# Altium PCB RPIadaptor.PcbDoc (part 1 of 2)
Units mm, origin at the board's own origin, x right, y up, seen from the top; angles counter-clockwise.
Board outline 106 x 56.22 mm, 4 copper layers (Top Layer, Ground, 3V3P, Bottom Layer), stack 1.578 mm thick; 86 components, 104 nets, 584 pads, 352 vias.
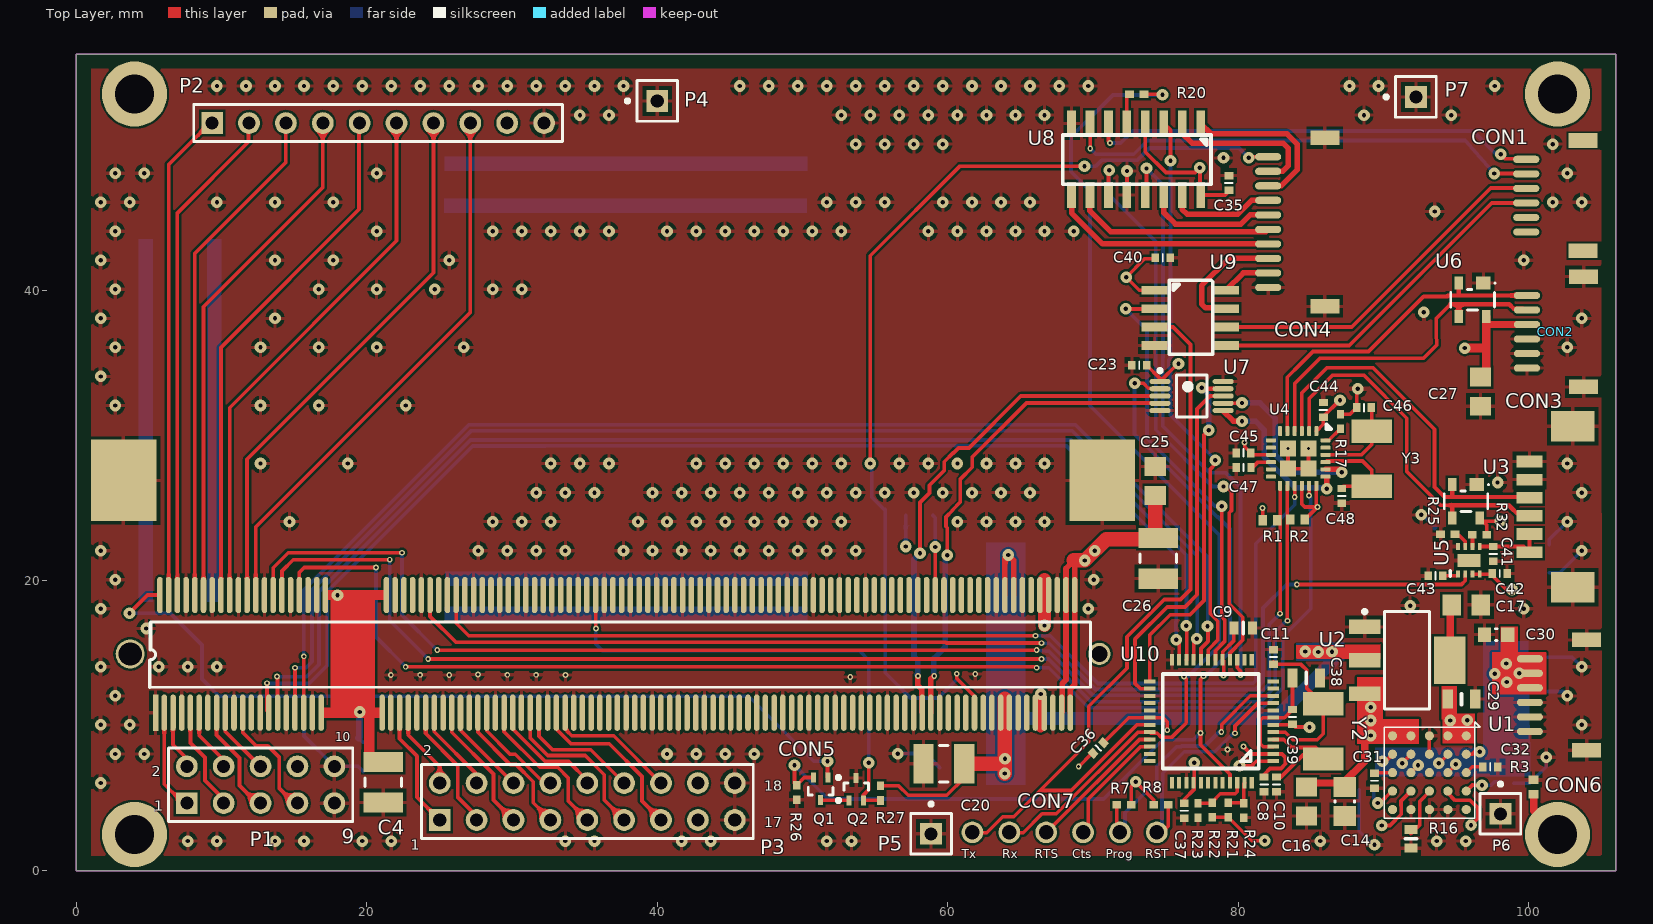
[diagram p0: Top Layer view]
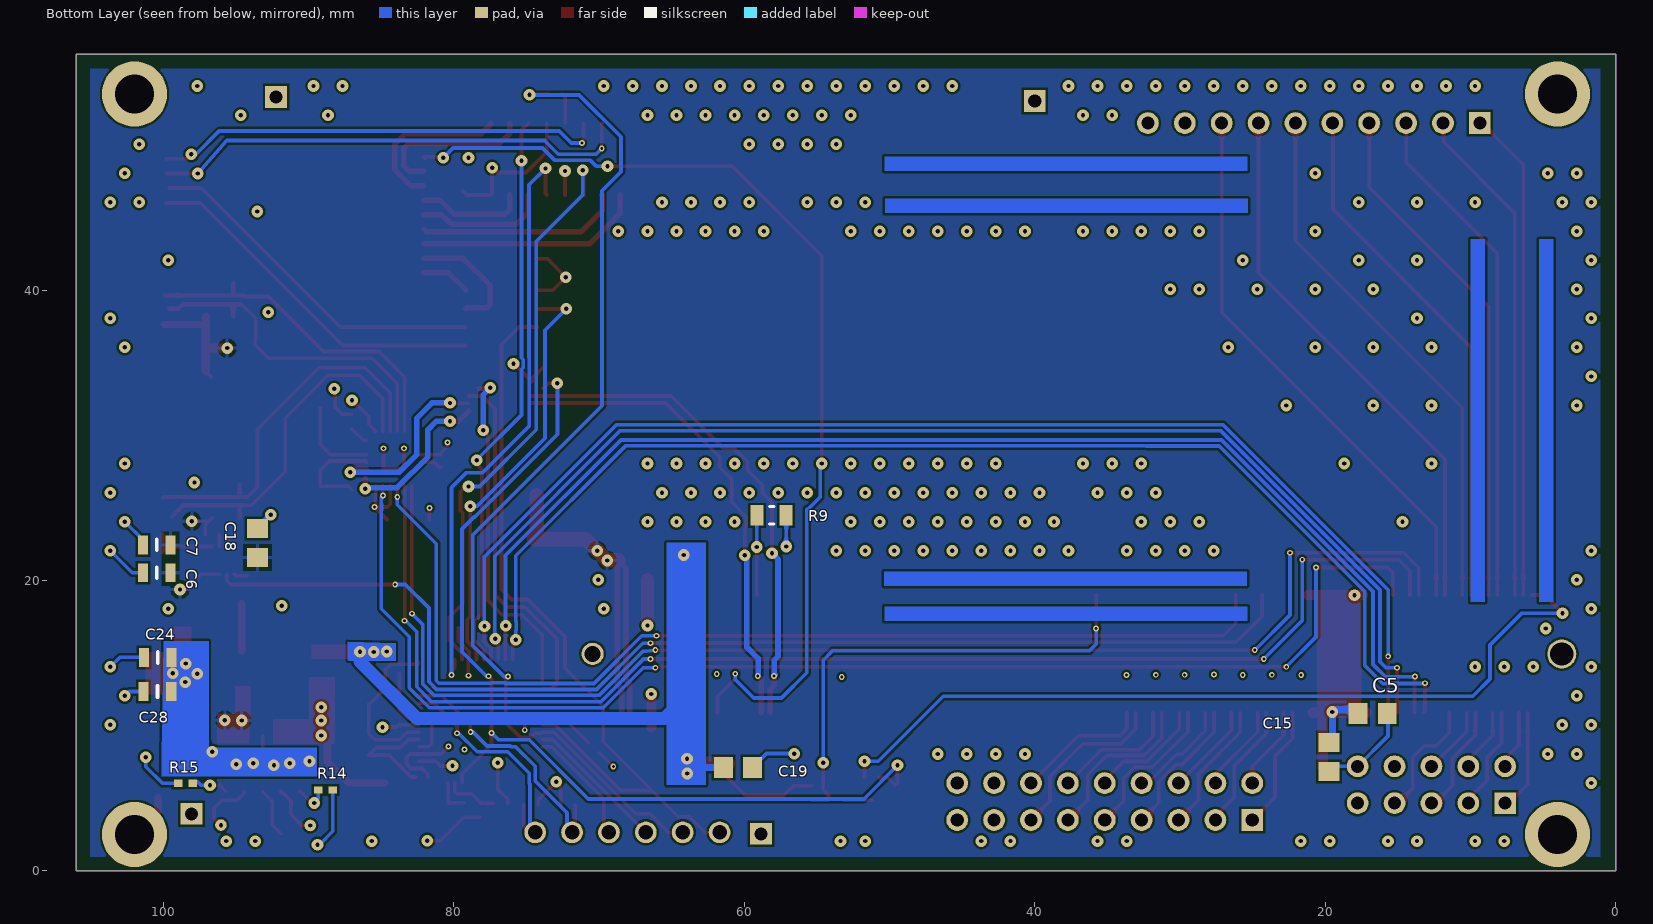
[diagram p1: Bottom Layer view, seen from below]
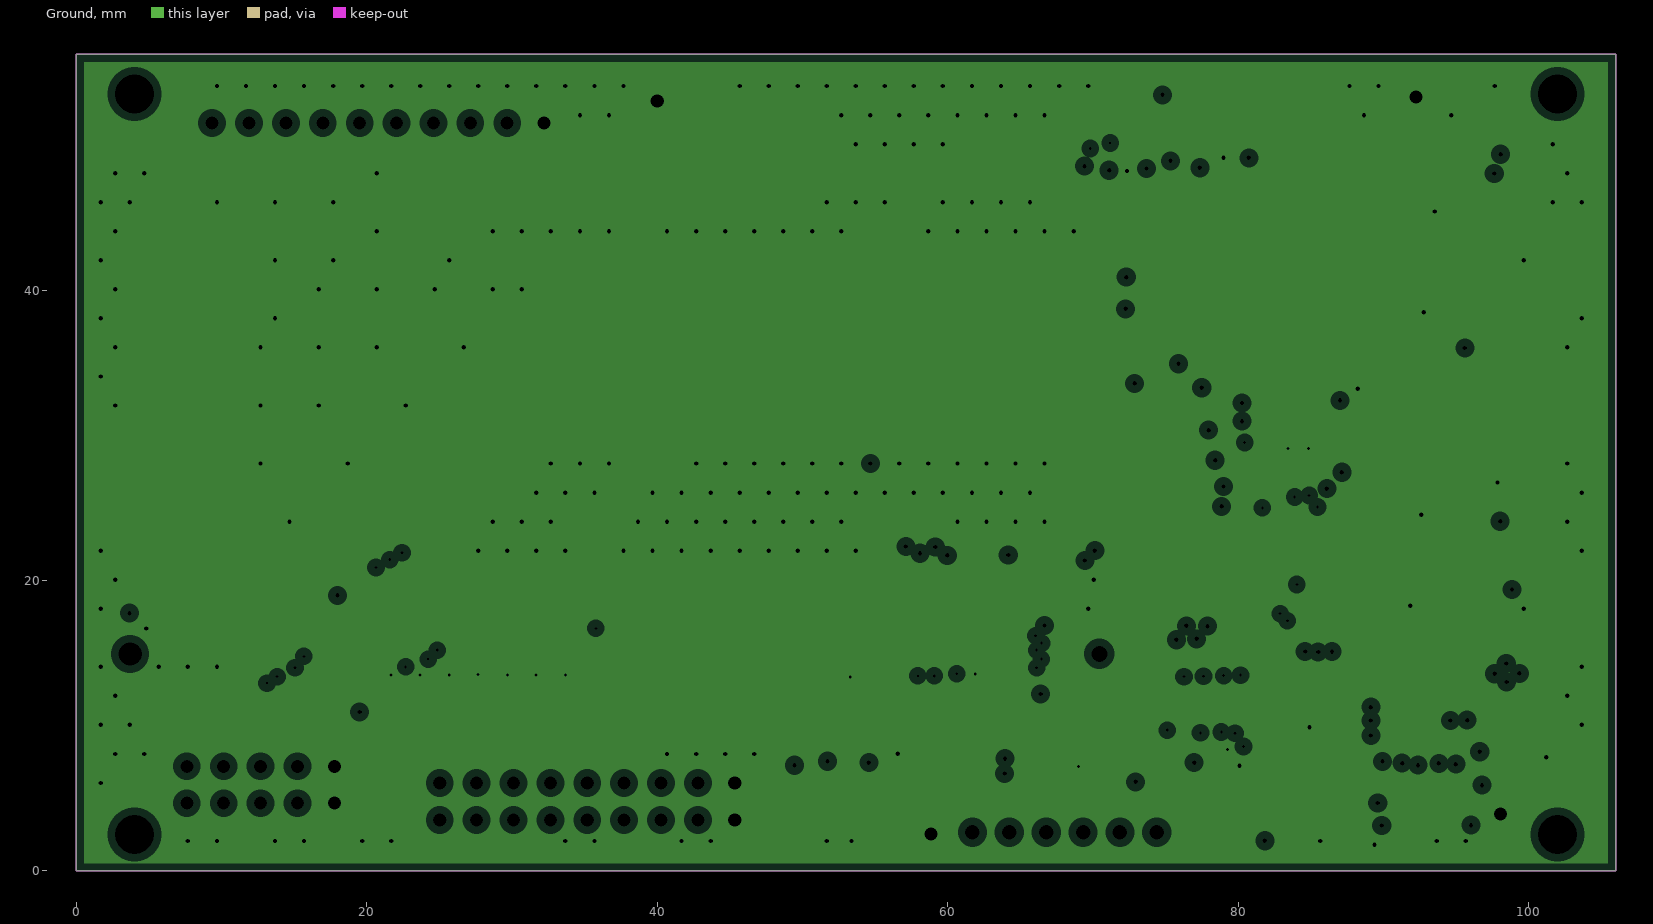
[diagram p2: Ground, clearances drawn from the general rule]
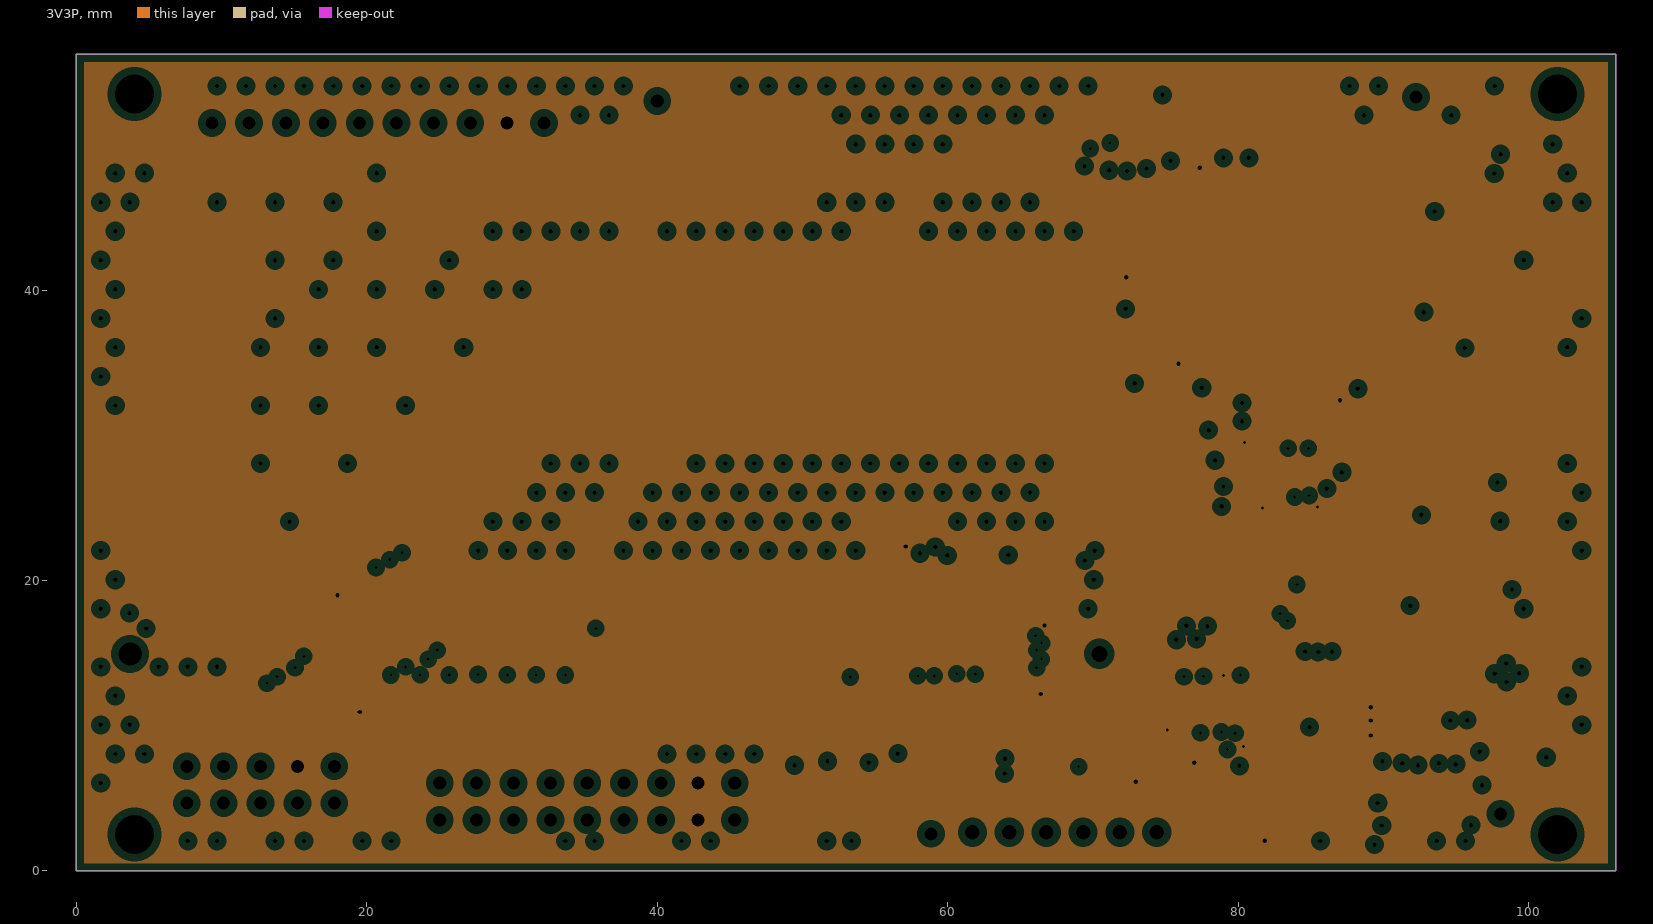
[diagram p3: 3V3P, clearances drawn from the general rule]

## Layer stack, top to bottom
Top Solder: solder mask 0.0127, Solder Resist, Dk 3.3
Top Layer: signal copper 0.033
Dielectric Top: dielectric 0.223, FR-4, Dk 4.3
Ground: plane copper 0.033, net GND
Core: dielectric 1, FR-4, Dk 4.3
3V3P: plane copper 0.033, net 3V3P
Dielectric Bottom: dielectric 0.223, FR-4, Dk 4.3
Bottom Layer: signal copper 0.033
Bottom Solder: solder mask 0.0127, Solder Resist, Dk 3.3

## Board outline
0,0 0,56.225 106,56.225 106,0

## Design rules (kind name [scope] priority, off if disabled: settings)
Clearance [All] p1: gap=0.152 ignorepadtopadclearanceinfootprint=TRUE
ComponentClearance [All] p1: gap=0.2 collisioncheckmode=3 verticalgap=0.254 showdistances=TRUE
DiffPairsRouting DiffPair_DIFF90v1DiffPairsRouting [InDifferentialPairClass('DIFF90')] p1: maxlimit=0.5 minlimit=0.3 mostfreqgap=0.3 toplayer_minwidth=0.2 toplayer_maxwidth=0.3 toplayer_prefwidth=0.3 bottomlayer_minwidth=0.2 bottomlayer_maxwidth=0.3 bottomlayer_prefwidth=0.3 maxuncoupledlength=12.7
DiffPairsRouting DiffPair_DIFF90DiffPairsRouting [InDifferentialPairClass('DIFF90')] p2 off: maxlimit=0.39 minlimit=0.37 mostfreqgap=0.381 toplayer_minwidth=0.381 toplayer_maxwidth=0.381 toplayer_prefwidth=0.381 bottomlayer_minwidth=0.381 bottomlayer_maxwidth=0.381 bottomlayer_prefwidth=0.381 maxuncoupledlength=12.7
DiffPairsRouting [All] p3: maxlimit=0.254 minlimit=0.254 mostfreqgap=0.254 toplayer_minwidth=0.381 toplayer_maxwidth=0.381 toplayer_prefwidth=0.381 bottomlayer_minwidth=0.381 bottomlayer_maxwidth=0.381 bottomlayer_prefwidth=0.381 maxuncoupledlength=12.7
HoleSize [All] p1: absolutevalues=TRUE maxlimit=5 minlimit=0.025 maxpercent=80.000 minpercent=20.000
MatchedLengths DiffPair_DIFF90v1MatchedLengths [InDifferentialPairClass('DIFF90')] p1: tolerance=25.4 checknetsindiffpair=TRUE checkdiffpairvsdiffpair=FALSE checkxsignals=FALSE checkothers=FALSE
MatchedLengths DiffPair_DIFF90MatchedLengths [InDifferentialPairClass('DIFF90')] p2: tolerance=40 checknetsindiffpair=FALSE checkdiffpairvsdiffpair=TRUE checkxsignals=TRUE checkothers=TRUE
MinimumSolderMaskSliver [All] p1: minsoldermaskwidth=0.03
PlaneClearance [All] p1: clearance=0.508
PlaneConnect [All] p1: planeconnectstyle=Relief reliefexpansion=0.508 reliefentries=4 reliefconductorwidth=0.254 reliefairgap=0.254
PolygonConnect [All] p1: connectstyle=Relief reliefconductorwidth=0.254 reliefentries=4 polygonreliefangle="90 Angle" airgapwidth=0.254
RoutingVias [All] p1: holewidth=0.711 width=1.27 viastyle="Through Hole" minholewidth=0.711 minwidth=1.27 maxholewidth=0.711 maxwidth=1.27
SilkToSilkClearance [All] p1: silktosilkclearance=0.1
SilkToSolderMaskClearance [IsPad] p1 off: minsilkscreentomaskgap=0.254 clearancetoexposedcopper=TRUE
SolderMaskExpansion [All] p1: expansion=0.03 istentingtop=FALSE
Width [All] p1: maxlimit=5 minlimit=0.254 preferedwidth=0.254
22 further rules are at their usual default settings.

## Classes and differential pairs
component class Main: C6 C7 C8 C9 C10 C11 C18 C23 C27 C35 C36 C37 C38 C39 C40 C41 C42 C43 C44 C45 C46 C47 C48 CON1 CON2 CON3 CON4 CON5 CON7 Q1 Q2 R1 R2 R7 R8 R9 R17 R20 R21 R22 R23 R24 R25 R26 R27 R32 U3 U4 U5 U6 U7 U8 U9 U10 U11 Y2 Y3
component class Power: C4 C5 C14 C15 C16 C17 C19 C20 C24 C25 C26 C28 C29 C30 C31 C32 CON6 R3 R14 R15 R16 U1 U2
component class Misc: P1 P2 P3 P4 P5 P6 P7 P?
differential pair MOSI: +MOSI_P -MOSI_N
differential pair MISO: +MISO_P -MISO_N
differential pair SS: +SS_P -SS_N
differential pair SCLK: +SCLK_P -SCLK_N
differential pair H2SW: +H2SW_P -H2SW_N
differential pair RPI2SW: +RPI2SW_P -RPI2SW_N
differential pair SW2SW: +SW2SW_P -SW2SW_N
differential pair NODE2H: +NODE2H_P -NODE2H_N
differential pair CAM2H: +CAM2H_P -CAM2H_N

## Components (designator, comment, footprint, x,y, rotation, side; value= is the part's Value field where it differs from the comment)
C4 "C1210C476M8RAC7800" 1210_X7R_KEMET_ABOVE4.7UF 21.125,6.1 r270 top
C5 "C0805C106M8RACTU" 0805_X7R_KEMET 16.725,10.85 r180 bottom
C6 "47uF" "0805 B" 100.475,20.525 r180 bottom
C7 "47uF" "0805 B" 100.475,22.45 r180 bottom
C8 ".1uF" "0402 B" 81.8,5.95 r270 top
C9 ".1uF" "0603 B" 80.35,16.725 r0 top
C10 "27pF" "0402 B" 82.65,5.95 r270 top
C11 "27pF" "0402 B" 82.45,14.725 r90 top
C14 "47uF 6.3V" CAPC0805(2012)145_M 87.35,4.775 r90 top value=4.7uF
C15 "C0805C104K5RACTU" 0805_X7R_KEMET 19.747,7.846 r270 bottom
C16 "C0805C106M8RACTU" 0805_X7R_KEMET 84.725,4.775 r270 top
C17 "C0805C106M8RACTU" 0805_X7R_KEMET 95.721,18.323 r0 top
C18 "C0805C104K5RACTU" 0805_X7R_KEMET 93.525,22.577 r90 bottom
C19 "C0805C104K5RACTU" 0805_X7R_KEMET 60.447,7.109 r180 bottom
C20 "C1210C476M8RAC7800" 1210_X7R_KEMET_ABOVE4.7UF 59.736,7.373 r180 top
C23 ".1uF" "0402 B" 73.2,34.825 r180 top
C24 "22uF" "0805 B" 100.4,14.7 r180 bottom
C25 "C0805C104K5RACTU" 0805_X7R_KEMET 74.3,26.85 r90 top
C26 "C1210C476M8RAC7800" 1210_X7R_KEMET_ABOVE4.7UF 74.5,21.525 r270 top
C27 "C0805C104K5RACTU" 0805_X7R_KEMET 96.7,33 r270 top
C28 "22uf" "0805 B" 100.425,12.35 r180 bottom
C29 "22uF 10V" "0805 B" 95.389,11.825 r180 top
C30 "4.7uF 25V" CAPC0603(1608)100_N 97.775,16.275 r0 top value=75pF
C31 ".1uF" "0402 B" 89.405,6.2 r90 top
C32 ".1uF" "0402 B" 97.375,7.162 r180 top
C35 ".1uF" "0402 B" 79.367,47.375 r90 top
C36 ".1uF" "0402 B" 70.375,8.457 r225 top
C37 ".1uF" "0402 B" 76.3,4.141 r270 top
C38 "4.7uF" "0805 B" 84.7,13.275 r180 top
C39 ".1uF" "0402 B" 83.75,10.6 r270 top
C40 ".1uF" "0402 B" 74.818,42.225 r0 top
C41 "1uF" "0402 B" 97.575,21.825 r270 top
C42 ".1uF" "0402 B" 98.025,20.475 r0 top
C43 "3.3nF" "0402 B" 93.6,20.325 r180 top
C44 ".1uF" "0402 B" 85.875,31.746 r90 top
C45 "1uF" "0402 B" 80.375,28.786 r180 top
C46 "27pF" "0402 B" 88.675,31.9 r180 top
C47 "1uF" "0402 B" 80.388,27.775 r180 top
C48 "27pF" "0402 B" 87.141,25.825 r270 top
CON1 "T1M-06-F-SH-L-K" T1M-06-F-SH-L-K 99.85,44 r90 top
CON2 "T1M-06-F-SH-L-K" T1M-06-F-SH-L-K 99.9,34.625 r90 top
CON3 "0532610671" 0532610671 100.07,21.945 r90 top
CON4 "T1M-10-F-SH-L-K" T1M-10-F-SH-L-K 82.075,49.176 r90 top
CON5 "1473005-4" "SODIMM SOCKET .6 PITCH 200 POS RIGHT ANGLE" 5.95,10.892 r90 top
CON6 "T1M-06-F-SH-L-K" T1M-06-F-SH-L-K 100.1,9.6 r90 top
CON7 "1X6 Header" "1X6 HEADER" 61.706,2.65 r0 top
P1 "Header 5X2" HDR2X5 7.6,4.66 r0 top
P2 "Header 10" HDR1X10 9.345,51.5 r0 top
P3 "Header 9X2" HDR2X9 25.02,3.5 r0 top
P4 "Plug" PIN1 40,53.025 r90 top
P5 "Plug" PIN1 58.859,2.55 r0 top
P6 "Plug" PIN1 98.075,3.925 r0 top
P7 "Plug" PIN1 92.25,53.3 r90 top
Q1 "DMG1012T-7" SOT523 51.25,5.65 r270 top
Q2 "DMG1012T-7" SOT523 53.7,5.625 r90 top
R1 "DNI" 0402#1 82.7,24.15 r180 top
R2 "DNI" 0402#1 83.6,24.2 r0 top
R3 "2K" 0402#1 100.35,5.275 r90 top
R7 "47K" 0402#2 72.15,4.55 r0 top
R8 "47K" 0402#2 74.7,4.55 r180 top
R9 "jcc" CRCW0805_VISHAY 58.119,24.479 r0 bottom
R14 "13K3 0.1%" 0402#2 88.847,5.565 r180 bottom
R15 "8K25 0.1%" 0402#2 98.488,6.025 r0 bottom
R16 "324K 0.1%" 0603 91.905,2.202 r270 top
R17 "12K" 0402#2 87.05,30.95 r270 top
R20 "1K" 0402#2 73.025,53.479 r0 top
R21 "47K" 0402#2 79.325,4.194 r90 top
R22 "47K" 0402#2 78.225,4.194 r270 top
R23 "DNI" 0402#2 77.25,4.163 r90 top
R24 "DNI" 0402#2 80.388,4.163 r90 top
R25 "4K02" 0402#2 94.45,23.175 r180 top
R26 "47K" 0402#2 49.602,5.4 r270 top
R27 "100K" 0402#2 55.375,5.35 r270 top
R32 "10K" 0402#2 96.625,23.15 r180 top
U1 "LTM4622IV#PBF" "LGA 25" 93.18,6.76 r180 top
U2 "LM1117MPX-1.8/NOPB" SOT230P700X180-4N 91.65,14.5 r0 top
U3 "PRTR5V0U2X,215" SOT143B 95.7,25.45 r270 top
U4 "USB2422" QFN-24 85.398,30.28 r270 top
U5 "TPS2595x3" "SON8 (2X2)" 95.9,21.386 r90 top
U6 "PRTR5V0U2X,215" SOT143B 96.15,39.325 r270 top
U7 "FSUSB42" MSOP-10 76.8,32.7 r0 top
U8 "SN65LVDS33" SOIC127P820X265-8N 68.535,51.479 r270 top
U9 "SN65LVDS9638" SN65LVDS31 74.254,36.179 r0 top
U10 "VNC2L" VNC2L 77.975,9.7 r90 top
Y2 "7A-12.000MAAE-T" 7A-12.000 85.875,11.51 r270 top
Y3 "7A-24.000MAAE-T" 7A-12.000 89.2,26.48 r90 top

## Footprints (in the part's own frame and the unit in brackets; to place one, negate y for a bottom-side part, rotate by r counter-clockwise, add the part's x,y. Pads: shape width x height; smd on the part's side, far side on the other; paste and mask are expansions set on the pad)
"1X6 HEADER" [mm]
  round 1.5 hole 1: 1(0,0) 2(2.54,0) 3(5.08,0) 4(7.62,0) 5(10.16,0) 6(12.7,0)
7A-12.000 [mm]
  rect 1.6x2.8 smd: 1(0,0) 2(3.8,0)
  body extent -0.65,-1.65 4.35,1.55, height 1.25
0402#1 [mm]
  rect 0.6x0.7 smd: 1(0,0) 2(1,0)
  body extent -0.03,-0.25 0.99,0.25, height 0.49
0402#2 [mm] "Chip Capacitor, Body 1.0x0.5mm, IPC High Density"
  rect 0.6x0.5 smd: 1(-0.5,0) 2(0.5,0)
  body extent -0.55,-0.3 0.55,0.3, height 1.3
"0402 B" [mil] "SMD 0402 blue"
  rect 20x24 smd: 1(-20,0) 2(20,0)
  silkscreen extent 0,-10 0,10, body extent -20,-10 20,10, height 18
0603 [mil] "SMD 0603"
  rect 24x35 smd: 1(-25,0) 2(25,0)
  silkscreen extent 0,-15 0,15, body extent -31,-16 31,16, height 18
"0603 B" [mil] "SMD 0603 blue"
  rect 24x35 smd: 1(-25,0) 2(25,0)
  silkscreen extent 0,-15 0,15, body extent -31,-16 31,16, height 18
"0805 B" [mm] "SMD 0805 blue"
  rect 0.7x1.3 smd: 1(-0.95,0) 2(0.95,0)
  silkscreen extent 0,-0.38 0,0.38, body extent -1,-0.6 1,0.6, height 1.25
0805_X7R_KEMET [mm]
  rect 1.3x1.45 smd: 1(-1,0) 2(1,0)
  body extent -0.9,-0.72 0.9,0.72, height 0.88
1210_X7R_KEMET_ABOVE4.7UF [mm]
  rect 1.4x2.7 smd: 1(-1.4,0) 2(1.4,0)
  silkscreen extent -0.3,-1.25 0.3,1.25, body extent -1.75,-1.35 1.75,1.35, height 2.8
0532610671 [mm]
  rect 0.8x1.8 smd: 1(0,0) 2(1.25,0) 3(2.5,0) 4(3.75,0) 5(5,0) 6(6.25,0)
  rect 2.1x3 smd: GND(-2.41,-2.98) GND(8.68,-2.98)
  body extent -3.2,-4.54 9.44,0.66, height 3.4
CAPC0603(1608)100_N [mm] "Chip Capacitor, Body 1.6x0.8mm, Height 1.0mm, IPC Medium Density"
  rect 0.9x1 smd: 1(-0.8,0) 2(0.8,0)
  silkscreen extent -0.05,-0.4 0.05,0.4, body extent -0.87,-0.48 0.88,0.47, height 1
CAPC0805(2012)145_M [mm] "Chip Capacitor, Body 2.0x1.2mm, Height 1.45mm, IPC Low Density"
  rect 1.35x1.55 smd: 1(-1,0) 2(1,0)
  silkscreen extent -0.05,-0.67 0.05,0.67, body extent -1.1,-0.72 1.1,0.72, height 1.45
CRCW0805_VISHAY [mm]
  rect 0.9x1.4 smd: 1(-1,0) 2(1,0)
  silkscreen extent -0.15,-0.6 0.15,0.6, body extent -1.1,-0.7 1.1,0.7, height 0.5
HDR1X10 [mm] "Connector; Header; 10 Position"
  rect 1.5x1.5 hole 0.9: 1(0,0)
  round 1.5 hole 0.9: 2(2.54,0) 3(5.08,0) 4(7.62,0) 5(10.16,0) 6(12.7,0) 7(15.24,0) 8(17.78,0) 9(20.32,0) 10(22.86,0)
  silkscreen extent -1.27,-1.27 24.13,1.27
HDR2X5 [mm] "Connector; Header; 5x2 Position"
  rect 1.5x1.5 hole 0.9: 1(0,0)
  round 1.5 hole 0.9: 2(0,2.54) 3(2.54,0) 4(2.54,2.54) 5(5.08,0) 6(5.08,2.54) 7(7.62,0) 8(7.62,2.54) 9(10.16,0) 10(10.16,2.54)
  silkscreen extent -1.27,-1.27 11.43,3.81
HDR2X9 [mm] "Connector; Header; 9x2 Position"
  rect 1.5x1.5 hole 0.9: 1(0,0)
  round 1.5 hole 0.9: 2(0,2.54) 3(2.54,0) 4(2.54,2.54) 5(5.08,0) 6(5.08,2.54) 7(7.62,0) 8(7.62,2.54) 9(10.16,0) 10(10.16,2.54) 11(12.7,0) 12(12.7,2.54) 13(15.24,0) 14(15.24,2.54) 15(17.78,0) 16(17.78,2.54) 17(20.32,0) 18(20.32,2.54)
  silkscreen extent -1.27,-1.27 21.59,3.81
"LGA 25" [mm] "5x5 LGA"
  round 0.63 smd: A1(-2.54,-2.54) A2(-2.54,-1.27) A3(-2.54,0) A4(-2.54,1.27) A5(-2.54,2.54) B1(-1.27,-2.54) B2(-1.27,-1.27) B3(-1.27,0) B4(-1.27,1.27) B5(-1.27,2.54) C1(0,-2.54) C2(0,-1.27) C3(0,0) C4(0,1.27) C5(0,2.54) D1(1.27,-2.54) D2(1.27,-1.27) D3(1.27,0) D4(1.27,1.27) D5(1.27,2.54) E1(2.54,-2.54) E2(2.54,-1.27) E3(2.54,0) E4(2.54,1.27) E5(2.54,2.54)
  silkscreen extent -3.5,-3.5 3.13,3.13, body extent -3.13,-3.13 3.12,3.12, height 1.82
MSOP-10 [mm] "SOT143, 4-Leads, Body 2.90x2.30mm, Pitch 1.90mm, IPC Medium Density"
  oval 1.45x0.35 smd: 1(-2.175,1) 2(-2.175,0.5) 3(-2.175,0) 4(-2.175,-0.5) 5(-2.175,-1) 6(2.175,-1) 7(2.175,-0.5) 8(2.175,0) 9(2.175,0.5) 10(2.175,1)
  silkscreen extent -2.3,-1.45 1.05,1.87, body extent -2.45,-1.45 2.45,1.45, height 1.1
PIN1 [mm] "Connector; Plug"
  rect 1.5x1.5 hole 0.9: 1(0,0)
  silkscreen extent -1.4,-1.4 1.4,2.17
QFN-24 [mm]
  rrect50% 0.69x0.28 smd: 1(0,0) 2(0,-0.5) 3(0,-1) 4(0,-1.5) 5(0,-2) 6(0,-2.5) 13(3.76,-2.5) 14(3.76,-2) 15(3.76,-1.5) 16(3.76,-1) 17(3.76,-0.5) 18(3.76,0)
  rrect50% 0.28x0.69 smd: 7(0.63,-3.13) 8(1.13,-3.13) 9(1.63,-3.13) 10(2.13,-3.13) 11(2.63,-3.13) 12(3.13,-3.13) 19(3.13,0.63) 20(2.63,0.63) 21(2.13,0.63) 22(1.63,0.63) 23(1.13,0.63) 24(0.63,0.63)
  rect 1.1x1.1 smd: 25(1.18,-0.55) 26(1.18,-1.95) 27(2.58,-1.95) 28(2.58,-0.55)
  silkscreen extent -0.47,0.7 -0.14,1.02, body extent -0.12,-3.26 3.88,0.74, height 0.9
SN65LVDS31 [mm]
  rect 1.77x0.6 smd: 1(0,3.81) 2(0,2.54) 3(0,1.27) 4(0,0) 5(4.928,0) 6(4.928,1.27) 7(4.928,2.54) 8(4.928,3.81)
  silkscreen extent 1,-0.6 4,4.5, body extent -0.6,-0.6 5.6,4.4, height 1.76
"SODIMM SOCKET .6 PITCH 200 POS RIGHT ANGLE" [mm]
  rect 2.5x0.38 smd: 1(0,0.5)
  oval 2.5x0.38 smd: 2(8.1,0.2) 3(0,-0.1) 4(8.1,-0.4) 5(0,-0.7) 6(8.1,-1) 7(0,-1.3) 8(8.1,-1.6) 9(0,-1.9) 10(8.1,-2.2) 11(0,-2.5) 12(8.1,-2.8) 13(0,-3.1) 14(8.1,-3.4) 15(0,-3.7) 16(8.1,-4) 17(0,-4.3) 18(8.1,-4.6) 19(0,-4.9) 20(8.1,-5.2) 21(0,-5.5) 22(8.1,-5.8) 23(0,-6.1) 24(8.1,-6.4) 25(0,-6.7) 26(8.1,-7) 27(0,-7.3) 28(8.1,-7.6) 29(0,-7.9) 30(8.1,-8.2) 31(0,-8.5) 32(8.1,-8.8) 33(0,-9.1) 34(8.1,-9.4) 35(0,-9.7) 36(8.1,-10) 37(0,-10.3) 38(8.1,-10.6) 39(0,-10.9) 40(8.1,-11.2) 41(0,-15.1) 42(8.1,-15.4) 43(0,-15.7) 44(8.1,-16) 45(0,-16.3) 46(8.1,-16.6) 47(0,-16.9) 48(8.1,-17.2) 49(0,-17.5) 50(8.1,-17.8) 51(0,-18.1) 52(8.1,-18.4) 53(0,-18.7) 54(8.1,-19) 55(0,-19.3) 56(8.1,-19.6) 57(0,-19.9) 58(8.1,-20.2) 59(0,-20.5) 60(8.1,-20.8) 61(0,-21.1) 62(8.1,-21.4) 63(0,-21.7) 64(8.1,-22) 65(0,-22.3) 66(8.1,-22.6) 67(0,-22.9) 68(8.1,-23.2) 69(0,-23.5) 70(8.1,-23.8) 71(0,-24.1) 72(8.1,-24.4) 73(0,-24.7) 74(8.1,-25) 75(0,-25.3) 76(8.1,-25.6) 77(0,-25.9) 78(8.1,-26.2) 79(0,-26.5) 80(8.1,-26.8) 81(0,-27.1) 82(8.1,-27.4) 83(0,-27.7) 84(8.1,-28) 85(0,-28.3) 86(8.1,-28.6) 87(0,-28.9) 88(8.1,-29.2) 89(0,-29.5) 90(8.1,-29.8) 91(0,-30.1) 92(8.1,-30.4) 93(0,-30.7) 94(8.1,-31) 95(0,-31.3) 96(8.1,-31.6) 97(0,-31.9) 98(8.1,-32.2) 99(0,-32.5) 100(8.1,-32.8) 101(0,-33.1) 102(8.1,-33.4) 103(0,-33.7) 104(8.1,-34) 105(0,-34.3) 106(8.1,-34.6) 107(0,-34.9) 108(8.1,-35.2) 109(0,-35.5) 110(8.1,-35.8) 111(0,-36.1) 112(8.1,-36.4) 113(0,-36.7) 114(8.1,-37) 115(0,-37.3) 116(8.1,-37.6) 117(0,-37.9) 118(8.1,-38.2) 119(0,-38.5) 120(8.1,-38.8) 121(0,-39.1) 122(8.1,-39.4) 123(0,-39.7) 124(8.1,-40) 125(0,-40.3) 126(8.1,-40.6) 127(0,-40.9) 128(8.1,-41.2) 129(0,-41.5) 130(8.1,-41.8) 131(0,-42.1) 132(8.1,-42.4) 133(0,-42.7) 134(8.1,-43) 135(0,-43.3) 136(8.1,-43.6) 137(0,-43.9) 138(8.1,-44.2) 139(0,-44.5) 140(8.1,-44.8) 141(0,-45.1) 142(8.1,-45.4) 143(0,-45.7) 144(8.1,-46) 145(0,-46.3) 146(8.1,-46.6) 147(0,-46.9) 148(8.1,-47.2) 149(0,-47.5) 150(8.1,-47.8) 151(0,-48.1) 152(8.1,-48.4) 153(0,-48.7) 154(8.1,-49) 155(0,-49.3) 156(8.1,-49.6) 157(0,-49.9) 158(8.1,-50.2) 159(0,-50.5) 160(8.1,-50.8) 161(0,-51.1) 162(8.1,-51.4) 163(0,-51.7) 164(8.1,-52) 165(0,-52.3) 166(8.1,-52.6) 167(0,-52.9) 168(8.1,-53.2) 169(0,-53.5) 170(8.1,-53.8) 171(0,-54.1) 172(8.1,-54.4) 173(0,-54.7) 174(8.1,-55) 175(0,-55.3) 176(8.1,-55.6) 177(0,-55.9) 178(8.1,-56.2) 179(0,-56.5) 180(8.1,-56.8) 181(0,-57.1) 182(8.1,-57.4) 183(0,-57.7) 184(8.1,-58) 185(0,-58.3) 186(8.1,-58.6) 187(0,-58.9) 188(8.1,-59.2) 189(0,-59.5) 190(8.1,-59.8) 191(0,-60.1) 192(8.1,-60.4) 193(0,-60.7) 194(8.1,-61) 195(0,-61.3) 196(8.1,-61.6) 197(0,-61.9) 198(8.1,-62.2) 199(0,-62.5) 200(8.1,-62.8)